# Altium PCB Mirny.PcbDoc (part 5 of 8) (continued)
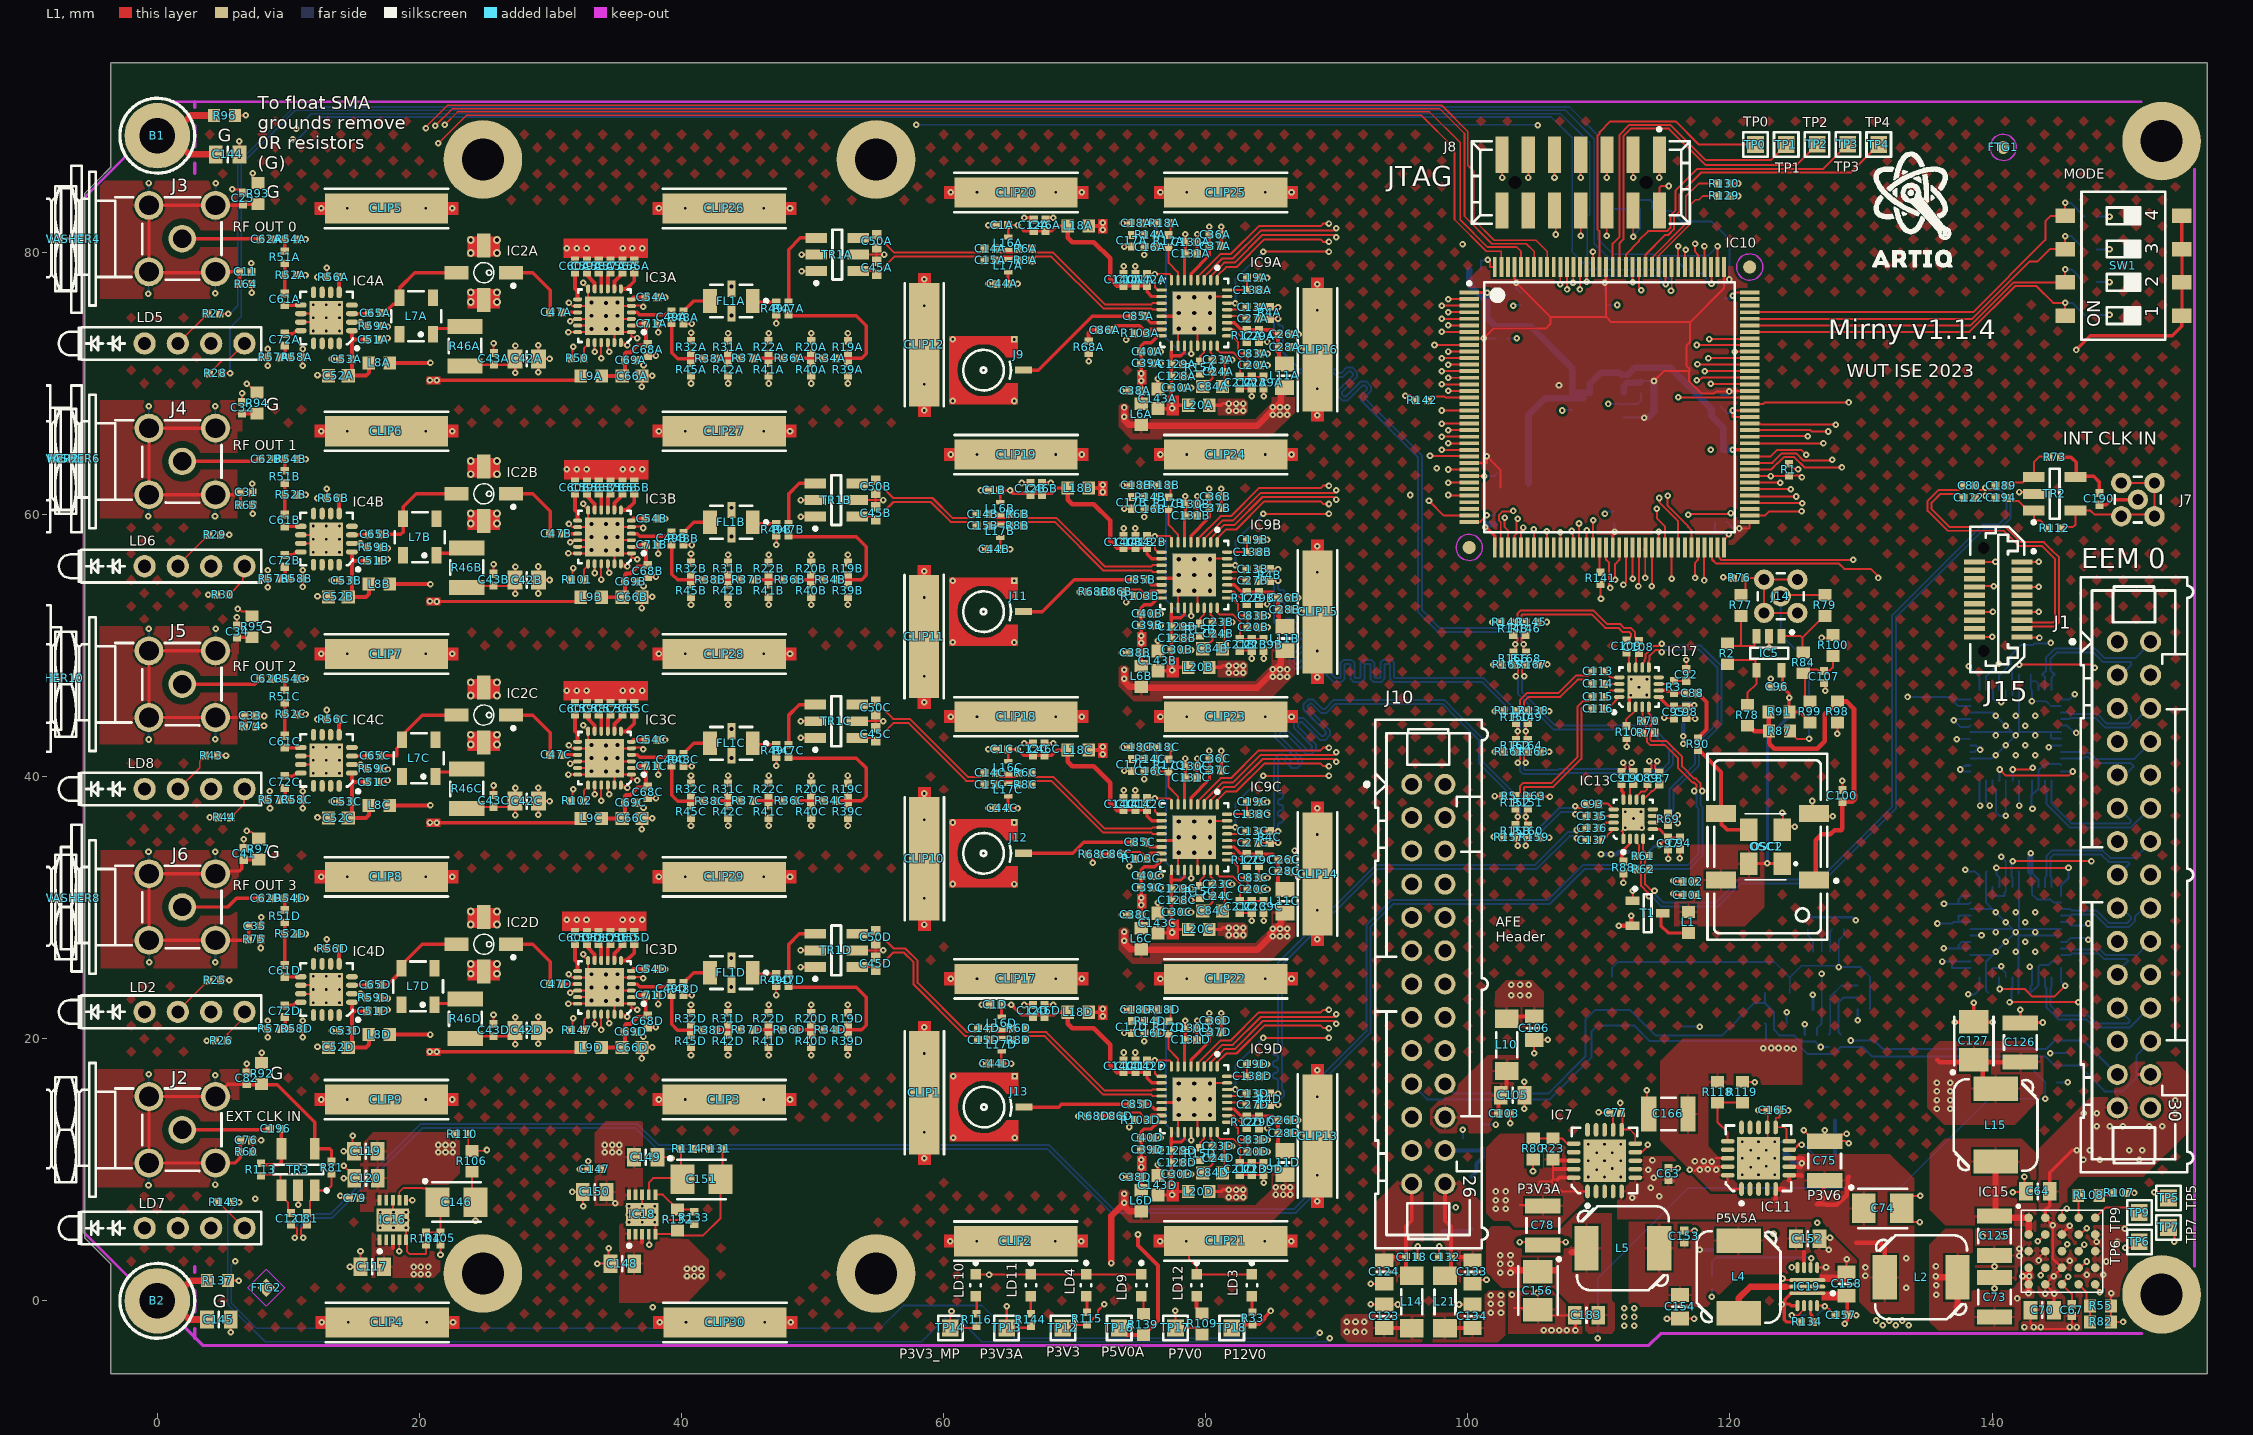
[diagram p0: L1 view]
## Nets (pads, with @x,y where several pads share a name; then routed paths per layer and width w, separated by ;. In a path a pad name is that pad's centre, name@x,y a point inside that pad or via, vN(x,y) a via of type N, cw(c..) or ccw(c..) an arc to the next point about the centre after c; other vN are vias at no path point) (continued)
NetC54A_2: C54A.2 IC3A.6 | length 1.2
  L1 w0.3: IC3A.6@36.173,76.414 36.323,76.564 C54A.2@37.273,76.564
NetC54B_2: C54B.2 IC3B.6 | length 1.2
  L1 w0.3: IC3B.6@36.173,59.535 36.323,59.685 C54B.2@37.273,59.685
NetC54C_2: C54C.2 IC3C.6 | length 1.2
  L1 w0.3: IC3C.6@36.173,42.656 36.323,42.806 C54C.2@37.273,42.806
NetC54D_2: C54D.2 IC3D.6 | length 1.2
  L1 w0.3: IC3D.6@36.171,25.168 36.321,25.318 C54D.2@37.271,25.318
NetC55A_2: C55A.2 IC3A.7 | length 2
  L1 w0.3: IC3A.7@35.373,77.214 35.812,77.214 36.392,77.795 C55A.2@36.392,78.485
NetC55B_2: C55B.2 IC3B.7 | length 2
  L1 w0.3: IC3B.7@35.373,60.335 35.812,60.335 36.392,60.915 C55B.2@36.392,61.606
NetC55C_2: C55C.2 IC3C.7 | length 2
  L1 w0.3: IC3C.7@35.373,43.456 35.812,43.456 36.392,44.036 C55C.2@36.392,44.727
NetC55D_2: C55D.2 IC3D.7 | length 2
  L1 w0.3: IC3D.7@35.371,25.968 35.81,25.968 36.39,26.549 C55D.2@36.39,27.239
NetC56A_2: C56A.2 IC3A.8 | length 1.5
  L1 w0.3: IC3A.8@34.873,77.214 34.873,77.763 35.488,78.378 C56A.2@35.488,78.485
NetC56B_2: C56B.2 IC3B.8 | length 1.5
  L1 w0.3: IC3B.8@34.873,60.335 34.873,60.883 35.488,61.498 C56B.2@35.488,61.606
NetC56C_2: C56C.2 IC3C.8 | length 1.5
  L1 w0.3: IC3C.8@34.873,43.456 34.873,44.004 35.488,44.619 C56C.2@35.488,44.727
NetC56D_2: C56D.2 IC3D.8 | length 1.5
  L1 w0.3: IC3D.8@34.871,25.968 34.871,26.516 35.486,27.132 C56D.2@35.486,27.239
NetC57A_2: C57A.2 IC3A.9 | length 1.3
  L1 w0.3: IC3A.9@34.373,77.214 34.373,78.207 C57A.2@34.594,78.429
NetC57B_2: C57B.2 IC3B.9 | length 1.3
  L1 w0.3: IC3B.9@34.373,60.335 34.373,61.328 C57B.2@34.594,61.549
NetC57C_2: C57C.2 IC3C.9 | length 1.3
  L1 w0.3: IC3C.9@34.373,43.456 34.373,44.449 C57C.2@34.594,44.67
NetC57D_2: C57D.2 IC3D.9 | length 1.3
  L1 w0.3: IC3D.9@34.371,25.968 34.371,26.961 C57D.2@34.592,27.183
NetC58A_2: C58A.2 IC3A.10 | length 1.4
  L1 w0.3: C58A.2@33.68,78.485 33.873,78.292 IC3A.10@33.873,77.214
NetC58B_2: C58B.2 IC3B.10 | length 1.4
  L1 w0.3: C58B.2@33.68,61.606 33.873,61.412 IC3B.10@33.873,60.335
NetC58C_2: C58C.2 IC3C.10 | length 1.4
  L1 w0.3: C58C.2@33.68,44.727 33.873,44.533 IC3C.10@33.873,43.456
NetC58D_2: C58D.2 IC3D.10 | length 1.4
  L1 w0.3: C58D.2@33.678,27.239 33.871,27.046 IC3D.10@33.871,25.968
NetC59A_2: C59A.2 IC3A.11 | length 1.5
  L1 w0.3: C59A.2@32.775,78.485 32.775,78.274 33.373,77.677 IC3A.11@33.373,77.214
NetC59B_2: C59B.2 IC3B.11 | length 1.5
  L1 w0.3: C59B.2@32.775,61.606 32.775,61.395 33.373,60.797 IC3B.11@33.373,60.335
NetC59C_2: C59C.2 IC3C.11 | length 1.5
  L1 w0.3: C59C.2@32.775,44.727 32.775,44.516 33.373,43.918 IC3C.11@33.373,43.456
NetC59D_2: C59D.2 IC3D.11 | length 1.5
  L1 w0.3: C59D.2@32.773,27.239 32.773,27.028 33.371,26.43 IC3D.11@33.371,25.968
NetC60A_2: C60A.2 IC3A.13 | length 2.2
  L1 w0.3: C60A.2@31.871,78.485 31.871,77.232 32.073,77.03 IC3A.13@32.073,76.414
NetC60B_2: C60B.2 IC3B.13 | length 2.2
  L1 w0.3: C60B.2@31.871,61.606 31.871,60.352 32.073,60.15 IC3B.13@32.073,59.535
NetC60C_2: C60C.2 IC3C.13 | length 2.2
  L1 w0.3: C60C.2@31.871,44.727 31.871,43.473 32.073,43.271 IC3C.13@32.073,42.656
NetC60D_2: C60D.2 IC3D.13 | length 2.2
  L1 w0.3: C60D.2@31.869,27.239 31.869,25.985 32.071,25.783 IC3D.13@32.071,25.168
NetC61A_1: C61A.1 IC4A.9 | length 1.2
  L1 w0.265: C61A.1@9.723,75.975 IC4A.9@10.952,75.975
NetC61A_2: C61A.2 R51A.1 R52A.2 | length 2.3
  L1 w0.265: C61A.2@9.721,76.875 R52A.2@9.721,78.27 R51A.1@9.721,79.159
NetC61B_1: C61B.1 IC4B.9 | length 1.2
  L1 w0.265: C61B.1@9.723,59.095 IC4B.9@10.952,59.095
NetC61B_2: C61B.2 R51B.1 R52B.2 | length 2.4
  L1 w0.265: C61B.2@9.721,59.995 R52B.2@9.721,61.51 R51B.1@9.721,62.399
NetC61C_1: C61C.1 IC4C.9 | length 1.2
  L1 w0.265: C61C.1@9.723,42.216 IC4C.9@10.952,42.216
NetC61C_2: C61C.2 R51C.1 R52C.2 | length 2.5
  L1 w0.265: C61C.2@9.722,43.116 R52C.2@9.722,44.75 R51C.1@9.722,45.639
NetC61D_1: C61D.1 IC4D.9 | length 1.2
  L1 w0.265: C61D.1@9.721,24.729 IC4D.9@10.95,24.729
NetC61D_2: C61D.2 R51D.1 R52D.2 | length 3.3
  L1 w0.265: C61D.2@9.722,25.629 R52D.2@9.722,27.99 R51D.1@9.722,28.879
NetC62A_1: C62A.1 R51A.2 R54A.2 | length 1.8
  L1 w0.265: C62A.1@8.761,80.988 R54A.2@9.721,80.988 R51A.2@9.721,80.099
NetC62B_1: C62B.1 R51B.2 R54B.2 | length 1.8
  L1 w0.265: C62B.1@8.761,64.228 R54B.2@9.721,64.228 R51B.2@9.721,63.339
NetC62C_1: C62C.1 R51C.2 R54C.2 | length 1.8
  L1 w0.265: C62C.1@8.762,47.468 R54C.2@9.722,47.468 R51C.2@9.722,46.579
NetC62D_1: C62D.1 R51D.2 R54D.2 | length 1.8
  L1 w0.265: C62D.1@8.762,30.708 R54D.2@9.722,30.708 R51D.2@9.722,29.819
NetC65A_1: C65A.1 IC2A.3 L7A.3 | length 7.6
  L1 w0.265: C65A.1@17.073,75.364 17.233,75.524 17.476,75.524 17.998,76.046 18.253,76.046 18.483,76.276 18.483,77.28 19.656,78.453 IC2A.3@22.832,78.453
NetC65A_2: C65A.2 IC4A.3 | length 1.3
  L1 w0.265: IC4A.3@14.852,75.325 16.133,75.325 C65A.2@16.173,75.364
NetC65B_1: C65B.1 IC2B.3 L7B.3 | length 8.2
  L1 w0.265: C65B.1@17.073,58.485 18.585,58.485 18.761,58.66 18.761,60.582 19.753,61.574 IC2B.3@22.832,61.574
NetC65B_2: C65B.2 IC4B.3 | length 1.3
  L1 w0.265: IC4B.3@14.852,58.445 16.133,58.445 C65B.2@16.173,58.485
NetC65C_1: C65C.1 IC2C.3 L7C.3 | length 7.7
  L1 w0.265: C65C.1@17.073,41.606 18.259,41.606 18.259,42.139 18.435,42.315 18.452,42.315 18.682,42.545 L7C.3@18.682,42.8 18.912,43.03 18.912,43.378 20.229,44.695 IC2C.3@22.832,44.695
NetC65C_2: C65C.2 IC4C.3 | length 1.3
  L1 w0.265: IC4C.3@14.852,41.566 16.133,41.566 C65C.2@16.173,41.606
NetC65D_1: C65D.1 IC2D.3 L7D.3 | length 7.5
  L1 w0.265: C65D.1@17.071,24.118 17.587,24.118 18.367,24.898 18.394,24.898 18.81,25.314 18.81,25.341 L7D.3@18.667,25.341 ; L7D.3@18.624,25.341 L7D.3@18.667,25.341 ; L7D.3@18.624,25.383 L7D.3@18.667,25.341 ; L7D.3@18.853,25.401 L7D.3@18.853,25.867 ; L7D.3@18.854,25.868 18.888,25.868 20.227,27.207 IC2D.3@22.83,27.207
NetC65D_2: C65D.2 IC4D.3 | length 1.3
  L1 w0.265: IC4D.3@14.85,24.079 16.131,24.079 C65D.2@16.171,24.118
NetC66A_2: C66A.2 C68A.2 C69A.2 C71A.2 IC3A.2 L9A.2 | length 8.2
  L1 w0.3: L9A.2@33.923,70.564 C66A.2@35.473,70.564 35.673,70.764 C69A.2@35.673,71.764 35.673,72.274 35.761,72.362 36.101,72.362 36.652,72.912 37.321,72.912 C68A.2@37.423,73.014 37.273,73.164 C71A.2@37.273,74.564 36.763,74.564 36.763,74.442 36.735,74.414 IC3A.2@36.173,74.414
NetC66B_2: C66B.2 C68B.2 C69B.2 C71B.2 IC3B.2 L9B.2 | length 8.2
  L1 w0.3: L9B.2@33.923,53.685 C66B.2@35.473,53.685 35.673,53.885 C69B.2@35.673,54.885 35.673,55.395 35.761,55.482 36.101,55.482 36.652,56.033 37.321,56.033 C68B.2@37.423,56.135 37.273,56.285 C71B.2@37.273,57.685 36.763,57.685 36.763,57.562 36.735,57.535 IC3B.2@36.173,57.535
NetC66C_2: C66C.2 C68C.2 C69C.2 C71C.2 IC3C.2 L9C.2 | length 8.2
  L1 w0.3: L9C.2@33.923,36.806 C66C.2@35.473,36.806 35.673,37.006 C69C.2@35.673,38.006 35.673,38.516 35.761,38.603 36.101,38.603 36.652,39.154 37.321,39.154 C68C.2@37.423,39.256 37.273,39.406 C71C.2@37.273,40.806 36.763,40.806 36.763,40.683 36.735,40.656 IC3C.2@36.173,40.656
NetC66D_2: C66D.2 C68D.2 C69D.2 C71D.2 IC3D.2 L9D.2 | length 8.2
  L1 w0.3: L9D.2@33.921,19.318 C66D.2@35.471,19.318 35.671,19.518 C69D.2@35.671,20.518 35.671,21.028 35.759,21.116 36.1,21.116 36.65,21.666 37.319,21.666 C68D.2@37.421,21.768 37.271,21.918 C71D.2@37.271,23.318 36.761,23.318 36.761,23.196 36.733,23.168 IC3D.2@36.171,23.168
NetC67_2: C67.2 IC15.A3 IC15.E3 | length 9.6
  L1 w0.152: IC15.A3@145.334,6.331 145.334,6.867 145.508,7.041 v1(145.694,7.041) ; v1(145.812,1.838) 145.334,1.36 IC15.E3@145.334,1.251 146.084,0.501 C67.2@146.084,-0.259
  L3 w0.152: v1@145.576,1.838 144.694,2.72 144.694,4.809 145.463,5.578 145.463,6.147 145.694,6.378 v1(145.694,7.041)
NetC72A_1: C72A.1 IC4A.12 | length 1.3
  L1 w0.265: C72A.1@9.723,73.789 10.373,73.789 10.609,74.025 IC4A.12@10.952,74.025
NetC72A_2: C72A.2 R57A.1 R58A.2 | length 1.7
  L1 w0.265: R57A.1@9.368,71.989 9.76,71.989 ; C72A.2@9.723,72.889 9.76,72.852 9.76,71.989 ; R58A.2@10.153,71.989 9.76,71.989
NetC72B_1: C72B.1 IC4B.12 | length 1.3
  L1 w0.265: C72B.1@9.723,56.91 10.373,56.91 10.609,57.145 IC4B.12@10.952,57.145
NetC72B_2: C72B.2 R57B.1 R58B.2 | length 1.7
  L1 w0.265: R57B.1@9.368,55.11 9.76,55.11 ; C72B.2@9.723,56.01 9.76,55.972 9.76,55.11 ; R58B.2@10.153,55.11 9.76,55.11
NetC72C_1: C72C.1 IC4C.12 | length 1.3
  L1 w0.265: C72C.1@9.723,40.031 10.373,40.031 10.609,40.266 IC4C.12@10.952,40.266
NetC72C_2: C72C.2 R57C.1 R58C.2 | length 1.7
  L1 w0.265: R57C.1@9.368,38.231 9.76,38.231 ; C72C.2@9.723,39.131 9.76,39.093 9.76,38.231 ; R58C.2@10.153,38.231 9.76,38.231
NetC72D_1: C72D.1 IC4D.12 | length 1.3
  L1 w0.265: C72D.1@9.721,22.543 10.371,22.543 10.607,22.779 IC4D.12@10.95,22.779
NetC72D_2: C72D.2 R57D.1 R58D.2 | length 1.7
  L1 w0.265: R57D.1@9.366,20.743 9.759,20.743 ; C72D.2@9.721,21.643 9.759,21.606 9.759,20.743 ; R58D.2@10.151,20.743 9.759,20.743
NetC73_2: C73.2 IC15.D1 IC15.E1 L2.1 | length 6.6
  L1 w0.483: v1(135.693,1.88) 135.782,1.791 L2.1@137.359,1.791 137.359,-0.392 137.294,-0.457 ; v1@142.719,0.777 142.794,0.852 IC15.E1@142.794,1.251 142.794,1.728 142.784,1.731 142.326,1.874 v1(142.323,1.88) 142.786,2.024 v1@142.831,2.038 ; IC15.D1@142.794,2.521 142.831,2.484 v1@142.831,2.038 ; v1(142.831,1.88) v1@142.831,2.038
  other v1: 141.916,0.178 135.744,0.457 142.78,0.584 135.744,1.194 135.719,2.642
NetC86A_2: C86A.2 R68A.1 | length 1.6
  L1 w0.304: R68A.1@71.041,73.193 71.041,73.833 71.277,74.069 C86A.2@71.855,74.069
NetC86B_2: C86B.2 R68B.1 | length 0.8
  L1 w0.152: R68B.1@71.938,54.087 71.958,54.106 C86B.2@72.778,54.106
NetC86C_2: C86C.2 R68C.1 | length 0.7
  L1 w0.304: R68C.1@72.032,34.064 C86C.2@72.767,34.064
NetC86D_2: C86D.2 R68D.1 | length 0.9
  L1 w0.304: R68D.1@71.936,13.911 72.172,14.147 C86D.2@72.751,14.147
NetC87_2: C87.2 IC13.9 | length 1.7
  L1 w0.152: IC13.9@113.372,38.244 114.021,38.893 114.095,38.893 C87.2@114.605,39.403
NetC88_1: C88.1 R90.2 | length 4
  L1 w0.3: R90.2@117.554,42.938 118.225,43.608 118.225,45.696 C88.1@117.566,46.355
NetC89_2: C89.2 IC13.10 | length 1.6
  L1 w0.152: IC13.10@112.872,38.244 112.872,38.494 113.225,38.847 113.491,38.847 113.653,39.008 C89.2@113.653,39.408
NetC90_2: C90.2 IC13.11 | length 1.3
  L1 w0.152: IC13.11@112.372,38.244 112.372,38.856 112.388,38.872 112.388,39.35 C90.2@112.51,39.472
NetC91_2: C91.2 IC13.12 | length 1.2
  L1 w0.25: C91.2@111.748,39.345 111.748,38.919 111.863,38.804 111.863,38.253 IC13.12@111.872,38.244
NetC92_2: C92.2 IC17.7 R3.1 | length 2.1
  L1 w0.152: IC17.7@114.559,47.075 115.126,47.075 115.133,47.081 115.492,47.081 115.685,47.274 R3.1@115.685,47.409 ; R3.1@115.726,47.295 116.432,47.295 116.447,47.28 C92.2@116.447,47.219
NetC93_2: C93.2 IC13.13 | length 1.2
  L1 w0.152: C93.2@110.097,37.948 110.669,37.948 IC13.13@111.122,37.494
NetC94_2: C94.2 C97.2 IC13.5 L13.1 | length 4
  L1 w0.2: IC13.5@114.122,35.994 114.639,35.994 114.829,35.803 114.829,35.785 C97.2@115.271,35.344 ; v1(114.595,34.773) 114.606,34.773 114.859,35.027 115.113,35.027 115.177,35.09 115.177,35.23 C97.2@115.281,35.334 C97.2@115.271,35.344 ; C94.2@115.875,35.344 C97.2@115.271,35.344
  L6 w0.2: L13.1@113.818,34.265 113.818,34.29 114.193,34.665 114.405,34.665 114.456,34.716 114.598,34.716 v1@114.605,34.709
NetC95_2: C95.2 C98.2 IC17.5 L3.1 | length 4.2
  L1 w0.25: IC17.5@114.559,46.075 115.282,45.352 C95.2@115.494,45.352 ; C95.2@115.494,45.314 116.622,45.314 C98.2@116.666,45.357 116.707,45.399 117.23,45.399 v1(117.272,45.441)
  L6 w0.25: L3.1@116.447,45.606 117.039,45.606 117.204,45.441 v1(117.272,45.441) 117.224,45.393 v1@117.224,45.265
NetC96_2: C96.2 C101.2 C102.2 IC5.5 L1.1 OSC1.1 OSC1.4 OSC2.4 R91.2 R99.2 | length 20.7
  L1 w0.25: OSC1.4@121.666,33.376 OSC1.1@124.106,33.376 ; IC5.5@124.003,48.044 124.008,48.039 C96.2@124.008,46.838 124.082,46.764 124.511,46.335 R91.2@124.511,45.123 ; R91.2@124.549,44.933 125.337,44.933 R99.2@126.035,44.234
  L6 w0.25: v1(122.86,33.376) 122.86,42.964 124.511,44.615 v1(124.511,46.012)
NetC100_2: C100.2 OSC2.1 R78.2 R87.1 R91.1 R98.2 | length 29.6
  L1 w0.152: R78.2@121.349,43.917 121.349,44.12 R78.2@121.4,44.171
  L1 w0.35: R78.2@121.4,43.917 121.4,43.865 121.661,43.603 121.713,43.603 121.844,43.472 R87.1@122.949,43.472 ; R91.1@122.949,44.933 R87.1@122.949,43.472 ; OSC2.1@126.543,32.423 126.543,35.154 126.988,35.598 127.655,35.598 127.976,35.919 128.486,35.919 128.573,36.006 128.573,37.94 C100.2@128.573,38.075 129.338,38.075 129.573,38.311 129.573,38.6 129.464,38.71 129.464,45.187 128.956,45.695 ; R98.2@128.004,45.504 127.242,44.742 127.242,42.71 126.67,42.139 123.368,42.139 122.987,42.52 122.987,43.459 R87.1@122.974,43.472 R87.1@122.949,43.472 ; R98.2@128.194,45.733 128.894,45.733 129.401,45.226 129.401,45.187
NetC103_2: C103.2 C105.2 J10.22 L10.1 | length 3.5
  L1 w0.3: C103.2@102.323,14.288 102.323,15.4 102.964,16.041 L10.1@102.964,17.529
NetC107_2: C107.2 R84.1 R99.1 R100.2 | length 5.7
  L1 w0.152: R84.1@125.591,48.209 R84.1@125.591,48.235 ; R84.1@125.705,47.993 125.883,48.171 126.67,48.171 126.734,48.108 127.623,48.108 127.877,48.362 R100.2@127.877,49.212 ; R84.1@125.718,47.981 125.718,46.114 R99.1@126.099,45.733
NetC108_2: C108.2 IC17.11 | length 1
  L1 w0.152: IC17.11@112.827,48.489 112.827,49.191 C108.2@113.059,49.423
NetC109_2: C109.2 IC17.12 | length 1.3
  L1 w0.152: C109.2@112.002,49.505 112.051,49.505 112.309,49.247 IC17.12@112.309,48.325
NetC110_2: C110.2 C112.2 J10.24 L12.2 | length 5.5
  L6 w0.3: J10.24@98.259,11.469 C110.2@99.613,11.469 100.937,11.469 C112.2@101.116,11.649 101.116,10.924 100.672,10.479 100.672,9.85 L12.2@100.291,9.469
NetC113_2: C113.2 IC17.13 | length 1.3
  L1 w0.152: C113.2@110.414,47.981 110.448,47.981 110.854,47.575 IC17.13@111.559,47.575
NetC114_2: C114.2 IC17.14 | length 1.1
  L1 w0.152: C114.2@110.478,47.092 110.494,47.075 IC17.14@111.559,47.075
NetC115_2: C115.2 IC17.15 | length 1.3
  L1 w0.152: C115.2@110.414,46.266 110.588,46.266 110.897,46.575 IC17.15@111.559,46.575
NetC116_2: C116.2 IC17.16 | length 1.4
  L1 w0.152: C116.2@110.478,45.377 110.861,45.377 IC17.16@111.559,46.075
NetC118_2: C118.2 C124.2 J10.25 L14.2 | length 9.1
  L1 w0.3: C124.2@93.623,3.098 93.866,3.341 C118.2@95.269,3.341 ; L14.2@95.269,2.362 C118.2@95.269,3.341 ; J10.25@95.269,8.712 J10.25@95.719,8.262 ; J10.25@95.719,8.929 J10.25@95.719,8.262 ; C118.2@95.269,3.341 95.269,5.659 95.719,6.109 J10.25@95.719,8.262
NetC125_2: C125.2 IC15.A1 IC15.B1 L15.1 | length 8.1
  L1 w0.483: C125.2@140.186,6.456 140.2,6.47 C125.2@140.334,6.47 ; L15.1@140.267,10.636 140.267,6.537 C125.2@140.334,6.47 ; IC15.B1@142.794,5.061 IC15.A1@142.794,6.331 140.473,6.331 C125.2@140.334,6.47
NetC132_2: C132.2 C133.2 J10.26 L21.1 | length 9.1
  L1 w0.3: J10.26@98.259,8.929 J10.26@98.259,8.262 ; L21.1@98.709,2.362 C132.2@98.709,3.341 ; J10.26@98.709,8.712 J10.26@98.259,8.262 ; C133.2@100.354,3.098 100.111,3.341 C132.2@98.709,3.341 ; J10.26@98.259,8.262 98.259,6.109 98.709,5.659 C132.2@98.709,3.341
NetC135_2: C135.2 IC13.14 | length 1.1
  L1 w0.152: C135.2@110.033,37.122 110.161,36.994 IC13.14@111.122,36.994
NetC136_2: C136.2 IC13.15 | length 1.5
  L1 w0.152: C136.2@109.906,36.106 110.378,36.106 110.467,36.195 110.467,36.405 110.556,36.494 IC13.15@111.122,36.494
NetC137_2: C137.2 IC13.16 | length 1.6
  L1 w0.152: C137.2@109.843,35.217 110.396,35.217 110.607,35.428 110.607,35.479 IC13.16@111.122,35.994
NetC146_1: C146.1 IC16.7 R104.2 R105.2 | length 7.7
  L1 w0.127: IC16.7@18.47,7.675 18.47,8.298 18.777,8.606 20.23,8.606 20.264,8.572 20.544,8.572 21.38,7.735 C146.1@21.38,7.534 21.608,7.306 R105.2@21.608,5.226 21.596,5.214 R104.2@20.497,5.214
NetC151_1: C151.1 IC18.7 R114.2 | length 5.9
  L1 w0.152: IC18.7@37.5,8.097 37.5,9.019 37.842,9.361 C151.1@39.976,9.361 ; R114.2@39.948,11.591 39.948,9.389 C151.1@39.976,9.361 ; C151.1@40.076,9.261 C151.1@39.976,9.361
NetC155_1: C155.1 IC19.9 | length 2.4
  L1 w0.127: v1(124.728,-1.095) 125.205,-1.095 125.652,-0.648 IC19.9@125.652,-0.373
  L6 w0.127: v1(124.728,-1.095) 125.742,-1.095 C155.1@125.765,-1.073
NetC190_1: C190.1 J7.1 | length 3.1
  L1 w0.265: C190.1@148.197,60.739 148.706,60.739 149.105,61.137 J7.1@151.125,61.137
NetC190_2: C190.2 R73.1 TR2.4 | length 4.9
  L1 w0.265: R73.1@145.246,64.378 146.023,64.378 146.101,64.3 146.419,63.982 TR2.4@146.419,62.903 ; TR2.4@146.736,62.903 147.752,62.903 148.197,62.459 C190.2@148.197,61.639
NetC196_1: C196.1 J2.1 | length 6.7
  L1 w0.265: J2.1@1.9,13.05 8.367,13.05 C196.1@8.555,13.237
NetC196_2: C196.2 R113.1 TR3.4 | length 4.4
  L1 w0.265: R113.1@7.899,10.487 8.004,10.382 9.274,10.382 9.474,10.582 TR3.4@9.474,11.607 C196.2@9.474,13.218 ; C196.2@9.468,13.172 C196.2@9.488,13.152
NetFL1A_1: FL1A.1 R49A.1 | length 1.9
  L1 w0.265: FL1A.1@45.423,76.289 45.53,76.182 R49A.1@47.229,76.182
NetFL1A_3: FL1A.3 R48A.2 | length 2.4
  L1 w0.265: R48A.2@40.143,75.498 40.934,76.289 FL1A.3@42.173,76.289
NetFL1B_1: FL1B.1 R49B.1 | length 1.9
  L1 w0.265: FL1B.1@45.423,59.41 45.53,59.303 R49B.1@47.229,59.303
NetFL1B_3: FL1B.3 R48B.2 | length 2.4
  L1 w0.265: R48B.2@40.143,58.619 40.934,59.41 FL1B.3@42.173,59.41
NetFL1C_1: FL1C.1 R49C.1 | length 1.9
  L1 w0.265: FL1C.1@45.423,42.531 45.53,42.424 R49C.1@47.229,42.424
NetFL1C_3: FL1C.3 R48C.2 | length 2.4
  L1 w0.265: R48C.2@40.143,41.74 40.934,42.531 FL1C.3@42.173,42.531
NetFL1D_1: FL1D.1 R49D.1 | length 1.9
  L1 w0.265: FL1D.1@45.421,25.043 45.528,24.936 R49D.1@47.227,24.936
NetFL1D_3: FL1D.3 R48D.2 | length 2.4
  L1 w0.265: R48D.2@40.141,24.252 40.932,25.043 FL1D.3@42.171,25.043
NetIC3A_19: IC3A.19 R50.2 | length 1.2
  L1 w0.152: R50.2@32.631,72.056 32.542,72.145 32.542,72.666 32.873,72.997 IC3A.19@32.873,73.114
NetIC3B_19: IC3B.19 R101.2 | length 1.2
  L1 w0.152: R101.2@32.631,55.177 32.542,55.266 32.542,55.786 32.873,56.118 IC3B.19@32.873,56.235
NetIC3C_19: IC3C.19 R102.2 | length 1.2
  L1 w0.152: R102.2@32.631,38.298 32.542,38.387 32.542,38.907 32.873,39.239 IC3C.19@32.873,39.356
NetIC3D_19: IC3D.19 R147.2 | length 1.2
  L1 w0.152: R147.2@32.629,20.81 32.54,20.899 32.54,21.42 32.871,21.751 IC3D.19@32.871,21.868
NetIC4A_5: IC4A.5 R56A.2 | length 1.2
  L1 w0.3: IC4A.5@13.877,76.95 R56A.2@13.877,78.119
NetIC4B_5: IC4B.5 R56B.2 | length 1.2
  L1 w0.3: IC4B.5@13.877,60.07 R56B.2@13.877,61.239
NetIC4C_5: IC4C.5 R56C.2 | length 1.2
  L1 w0.3: IC4C.5@13.877,43.191 R56C.2@13.877,44.36
NetIC4D_5: IC4D.5 R56D.2 | length 1.2
  L1 w0.3: IC4D.5@13.875,25.704 R56D.2@13.875,26.873
NetIC5_1: IC5.1 R79.1 R84.2 | length 5
  L1 w0.152: IC5.1@123.935,50.711 125.4,50.711 125.527,50.584 ; R84.2@125.337,49.695 125.527,49.886 125.527,50.584 ; R79.1@127.242,52.261 127.192,52.261 126.818,51.887 126.818,51.875 125.527,50.584
NetIC5_3: IC5.3 R2.1 R77.1 | length 5.2
  L1 w0.152: R2.1@119.812,49.847 119.914,49.949 121.882,49.949 121.882,50.622 IC5.3@121.971,50.711 ; 120.765,50.013 120.828,50.076 R77.1@120.828,52.261
NetIC5_4: IC5.4 R2.2 R78.1 | length 5.9
  L1 w0.152: R2.2@119.812,48.908 121.946,48.908 121.946,48.197 IC5.4@122.035,48.108 ; R78.1@121.336,45.479 121.336,46.38 122.035,47.079 IC5.4@122.035,48.108 ; IC5.4@122.035,48.111 IC5.4@122.035,48.108
NetIC7_16: IC7.16 R23.1 R80.2 | length 3.2
  L1 w0.152: R80.2@104.994,12.386 R23.1@106.494,12.386 107.194,12.386 107.585,11.995 IC7.16@108.081,11.995
NetIC9A_22: IC9A.22 R15A.1 | length 1.3
  L1 w0.152: R15A.1@79.569,71.679 79.569,72.075 79.88,72.386 IC9A.22@79.88,72.878
NetIC9A_26: IC9A.26 R12A.2 | length 1.9
  L1 w0.152: IC9A.26@81.63,74.128 82.149,74.128 R12A.2@83.125,73.152
NetIC9B_22: IC9B.22 R15B.1 | length 1.3
  L1 w0.152: R15B.1@79.569,51.679 79.569,52.075 79.88,52.386 IC9B.22@79.88,52.878
NetIC9B_26: IC9B.26 R12B.2 | length 1.9
  L1 w0.152: IC9B.26@81.63,54.128 82.149,54.128 R12B.2@83.125,53.152
NetIC9C_22: IC9C.22 R15C.1 | length 1.3
  L1 w0.152: R15C.1@79.569,31.679 79.569,32.075 79.88,32.386 IC9C.22@79.88,32.878
NetIC9C_26: IC9C.26 R12C.2 | length 1.9
  L1 w0.152: IC9C.26@81.63,34.128 82.149,34.128 R12C.2@83.125,33.152
NetIC9D_22: IC9D.22 R15D.1 | length 1.3
  L1 w0.152: R15D.1@79.569,11.679 79.569,12.075 79.88,12.386 IC9D.22@79.88,12.878
NetIC9D_26: IC9D.26 R12D.2 | length 1.9
  L1 w0.152: IC9D.26@81.63,14.128 82.149,14.128 R12D.2@83.125,13.152
NetIC11_16: IC11.16 R118.1 R119.2 | length 5.2
  L1 w0.152: IC11.16@119.831,12.18 119.831,12.852 119.05,13.632 R118.1@119.05,15.113 R119.2@120.955,15.113
NetIC12_1: IC12.1 R121.1 R124.2 | length 4.1
  L6 w0.152: R124.2@128.461,20.307 128.292,20.477 IC12.1@128.292,22.242 128.292,22.77 128.651,23.13 ; 128.654,23.133 128.651,23.13 ; R121.1@129.747,23.13 128.651,23.13
NetIC12_2: IC12.2 R122.1 R125.2 | length 5.4
  L6 w0.127: R125.2@127.544,20.307 127.642,20.404 IC12.2@127.642,22.242 127.642,23.192 128.514,24.064 R122.1@129.747,24.064
NetIC12_3: IC12.3 LD7.3 R123.1 | length 322
  L3 w0.127: LD7.3@4.109,5.55 4.109,7.381 9.447,12.719 9.447,60.447 9.954,60.955 9.954,87.474 12.689,90.21 57.438,90.21 v1(57.9,89.748) ; v1(105.334,89.7) 124.904,89.7 131.311,83.293 144.139,83.293 153.404,74.029 153.404,22.009 152.554,21.159 145.04,21.159 141.205,24.994 135.886,24.994 134.489,26.391 128.421,26.391 v1(126.988,24.957)
  L6 w0.127: v1(57.9,89.748) v1@105.334,89.748 ; IC12.3@126.992,22.242 v1@126.992,24.957
  L6 w0.152: R123.1@126.659,20.295 126.659,20.822 126.992,21.154 IC12.3@126.992,22.242
NetIC12_5: IC12.5 R126.2 | length 1.9
  L6 w0.127: R126.2@125.93,28.336 125.93,27.914 126.342,27.503 IC12.5@126.342,26.642
NetIC12_6: IC12.6 R127.2 | length 1.7
  L6 w0.127: R127.2@126.859,28.336 126.992,28.204 IC12.6@126.992,26.642
NetIC12_7: IC12.7 R128.2 | length 1.8
  L6 w0.127: IC12.7@127.642,26.642 127.642,28.189 R128.2@127.789,28.336
NetIC13_2: IC13.2 R88.2 | length 1.9
  L1 w0.25: R88.2@111.748,33.63 111.748,34.269 112.372,34.894 IC13.2@112.372,35.244
NetIC15_A4: IC15.A4 R108.1 | length 1.7
  L1 w0.152: R108.1@146.581,8.042 146.604,8.019 IC15.A4@146.604,6.331
NetIC15_A5: IC15.A5 TP9.1 | length 3.9
  L1 w0.152: IC15.A5@147.874,6.331 148.67,7.127 150.851,7.127 TP9.1@151.245,6.734
NetIC15_B2: IC15.B2 IC15.D2 R120.1 R123.2 | length 35.1
  L1 w0.127: v1@143.542,4.539 IC15.B2@144.064,5.061 ; v1(143.72,1.943) 143.598,1.943 143.542,1.999 IC15.D2@144.064,2.521
  L3 w0.2: v1(125.719,21.093) 126.035,21.409 v1(129.747,21.409) 133.513,21.409 143.473,11.45 v1(143.473,4.539) 144.03,3.982 144.03,2.253 v1(143.72,1.943)
  L6 w0.2: R123.2@125.719,20.295 v1(125.719,21.093) ; v1(129.747,21.409) R120.1@129.747,22.196 R120.1@129.752,22.191
NetIC15_C3: IC15.C3 TP5.1 | length 10.3
  L1 w0.127: IC15.C3@145.334,3.791 145.792,4.249 v1(145.723,4.318) ; v1(152.388,8.297) 153.019,8.297 TP5.1@153.467,7.849
  L3 w0.127: v1(145.723,4.318) 146.344,4.939 147.986,4.939 149.086,6.039 150.13,6.039 v1(152.388,8.297)
NetIC15_C4: IC15.C4 TP6.1 | length 5.2
  L1 w0.127: IC15.C4@146.604,3.791 146.604,3.859 147.022,4.277 v1(147.022,4.293) ; v1(150.165,4.05) 150.796,4.05 TP6.1@151.245,4.499
  L3 w0.127: v1(147.022,4.293) 147.264,4.05 v1(150.165,4.05)
NetIC15_E4: IC15.E4 R55.1 R82.1 | length 3.3
  L1 w0.152: IC15.E4@146.604,1.251 147.223,0.632 147.223,-0.148 R55.1@147.481,-0.406 ; R82.1@147.481,-1.613 R55.1@147.481,-0.406 ; R55.1@147.481,-0.392 R55.1@147.481,-0.406 ; R55.1@147.534,-0.44 147.534,-0.459 R55.1@147.481,-0.406
NetIC15_E5: IC15.E5 TP7.1 | length 9.3
  L1 w0.127: IC15.E5@147.874,1.251 147.874,1.076 v1@148.253,0.697 ; TP7.1@153.467,5.598 153.915,5.15 v1(153.915,4.519)
  L3 w0.127: v1(148.223,0.666) 152.075,4.519 v1(153.915,4.519)
NetIC16_6: IC16.6 R106.2 R110.1 | length 10.4
  L1 w0.127: IC16.6@18.97,7.675 v1(19.47,7.675) ; R110.1@23.729,12.726 23.729,11.709 R106.2@23.998,11.44 25.085,11.44 v1(25.153,11.508)
  L4 w0.127: v1(19.47,7.675) 21.32,7.675 v1(25.153,11.508)
NetIC17_2: IC17.2 R10.2 | length 1.6
  L1 w0.152: R10.2@112.065,44.044 112.065,44.331 112.809,45.075 IC17.2@112.809,45.325
NetIC18_6: IC18.6 R132.2 R133.1 | length 3.5
  L1 w0.152: IC18.6@38,8.097 38.574,8.097 R132.2@39.696,6.975 40.798,6.975 R133.1@40.972,6.801
NetIC19_2: IC19.2 L4.1 | length 5.1
  L1 w0.5: L4.1@120.661,-0.959 120.661,0.188 121.549,1.076 124.269,1.076 124.27,1.077
NetIC19_5: IC19.5 R135.1 R136.2 | length 9.6
  L1 w0.152: IC19.5@126.152,2.527 126.177,2.552 126.177,3.231 v1(126.201,3.256)
  L6 w0.152: R136.2@118.625,1.885 R135.1@118.625,2.945 118.993,3.314 126.144,3.314 v1(126.201,3.256)
NetIC19_10: IC19.10 R134.1 | length 1.3
  L1 w0.254: IC19.10@126.152,-0.373 126.152,-1.01 126.244,-1.102 126.244,-1.488 R134.1@126.369,-1.612
NetJ7_2: J7.2 R112.1 TR2.6 | length 13.1
  L1 w0.152: R112.1@145.339,59.03 146.165,59.03 146.366,59.231 TR2.6@146.366,60.305 147.505,60.305 147.829,59.982 151.88,59.982 J7.2@151.943,59.919 ; J7.2@149.784,62.205 149.986,62.407 J7.2@152.395,62.407 ; J7.2@152.07,62.205 152.395,61.88 J7.2@152.395,59.867
NetJ14_1: J14.1 R79.2 R87.2 | length 16.5
  L1 w0.152: J14.1@124.067,53.95 124.155,53.861 R79.2@127.242,53.861 ; R87.2@124.575,43.472 124.575,43.422 125.146,42.851 125.985,42.851 v1(126.035,42.901)
  L6 w0.152: J14.1@123.876,53.569 123.876,50.838 126.035,48.679 v1(126.035,42.901)
NetJ14_2: J14.2 R76.1 R77.2 | length 10.4
  L1 w0.152: R77.2@120.955,53.886 121.171,54.102 R76.1@121.171,55.156 122.543,55.156 J14.2@122.606,55.22 ; J14.2@122.352,52.616 122.606,52.87 J14.2@122.606,55.029 124.829,55.029 J14.2@125.146,55.347 ; J14.2@122.606,52.489 J14.2@124.956,52.489
NetL1_2: L1.2 T1.3 | length 3.5
  L1 w0.25: T1.3@114.732,29.756 114.732,28.613 115.278,28.067 L1.2@116.828,28.067
NetL7A_1: L7A.1 R46A.2 | length 2.8
  L1 w0.254: L7A.1@21.023,73.743 21.023,73.933 21.276,74.186 23.321,74.186 R46A.2@23.476,74.341
NetL7B_1: L7B.1 R46B.2 | length 2.5
  L1 w0.254: L7B.1@21.301,56.879 21.473,57.051 23.22,57.051 R46B.2@23.613,57.444
NetL7C_1: L7C.1 R46C.2 | length 2.7
  L1 w0.254: L7C.1@21.222,40.012 21.222,40.102 21.475,40.355 23.404,40.355 R46C.2@23.613,40.565
NetL7D_1: L7D.1 R46D.2 | length 2.5
  L1 w0.254: L7D.1@21.164,22.595 21.253,22.685 23.172,22.685 R46D.2@23.508,23.02
NetLD2_2: LD2.2 R25.2 | length 3.5
  L1 w0.127: LD2.2@1.534,21.988 1.534,22.087 R25.2@3.903,24.457
NetLD2_4: LD2.4 R26.2 | length 2.7
  L1 w0.127: R26.2@5.354,19.85 5.354,20.36 6.614,21.62 LD2.4@6.614,21.988
NetLD3_2: LD3.2 R33.2 | length 1.2
  L1 w0.254: LD3.2@83.524,0.36 83.524,-0.811 R33.2@83.578,-0.864
NetLD4_2: LD4.2 R115.2 | length 1.3
  L1 w0.2: LD4.2@70.876,0.36 70.943,0.293 R115.2@70.943,-0.888
NetLD5_2: LD5.2 R27.2 | length 3.3
  L1 w0.127: LD5.2@1.534,72.988 1.534,73.022 R27.2@3.837,75.325
NetLD5_4: LD5.4 R28.2 | length 3.6
  L1 w0.127: R28.2@3.964,70.764 3.964,70.784 4.191,71.011 4.211,71.011 4.967,71.767 5.393,71.767 LD5.4@6.614,72.988
NetLD6_2: LD6.2 R29.2 | length 3.4
  L1 w0.127: LD6.2@1.534,55.988 1.534,56.076 R29.2@3.903,58.445
NetLD6_4: LD6.4 R30.2 | length 2.6
  L1 w0.127: R30.2@5.477,53.885 6.531,54.938 6.531,55.905 LD6.4@6.614,55.988
NetLD7_4: LD7.4 R143.2 | length 2.9
  L1 w0.127: R143.2@4.655,7.534 6.614,5.575 LD7.4@6.614,5.488
NetLD8_2: LD8.2 R43.2 | length 3.5
  L1 w0.127: LD8.2@1.534,38.988 3.226,40.68 3.226,41.174 R43.2@3.658,41.606
NetLD8_4: LD8.4 R44.2 | length 2.5
  L1 w0.127: R44.2@5.595,36.881 6.614,37.9 LD8.4@6.614,38.988
NetLD9_2: LD9.2 R139.1 | length 1.4
  L1 w0.152: LD9.2@75.092,0.36 75.237,0.215 R139.1@75.237,-1.013
NetLD10_2: LD10.2 R116.2 | length 1.4
  L1 w0.2: LD10.2@62.444,0.36 62.513,0.292 R116.2@62.513,-0.982
NetLD11_2: LD11.2 R144.2 | length 1.3
  L1 w0.2: R144.2@66.66,-0.982 LD11.2@66.66,0.36
NetLD12_2: LD12.2 R109.1 | length 1.5
  L1 w0.3: LD12.2@79.308,0.36 79.308,-0.557 R109.1@79.721,-0.969
NetOSC1_3: OSC1.3 OSC2.3 R90.1 | length 8.3
  L1 w0.3: R90.1@117.717,41.948 119.305,40.36 OSC2.3@119.305,37.186 ; OSC2.3@119.368,36.995 119.368,36.36 119.622,36.105 119.782,35.946 OSC1.3@121.444,35.946
NetR17A_2: R17A.2 R18A.1 | length 0.9
  L1 w0.152: R17A.2@77.162,81.326 77.292,81.457 R18A.1@77.292,82.221
NetR17B_2: R17B.2 R18B.1 | length 0.9
  L1 w0.152: R17B.2@77.162,61.326 77.292,61.457 R18B.1@77.292,62.221
NetR17C_2: R17C.2 R18C.1 | length 0.9
  L1 w0.152: R17C.2@77.162,41.326 77.292,41.457 R18C.1@77.292,42.221
NetR17D_2: R17D.2 R18D.1 | length 0.9
  L1 w0.152: R17D.2@77.162,21.326 77.292,21.457 R18D.1@77.292,22.221